# Altium PCB LC BigOne.PcbDoc (part 3 of 3)
Units mm, origin at the board's own origin, x right, y up, seen from the top; angles counter-clockwise.
Board outline 218 x 105 mm, 2 copper layers (Top Layer, Bottom Layer); 239 components, 249 nets, 1148 pads, 92 vias.
Unrouted connection lines stored in the file: 2.
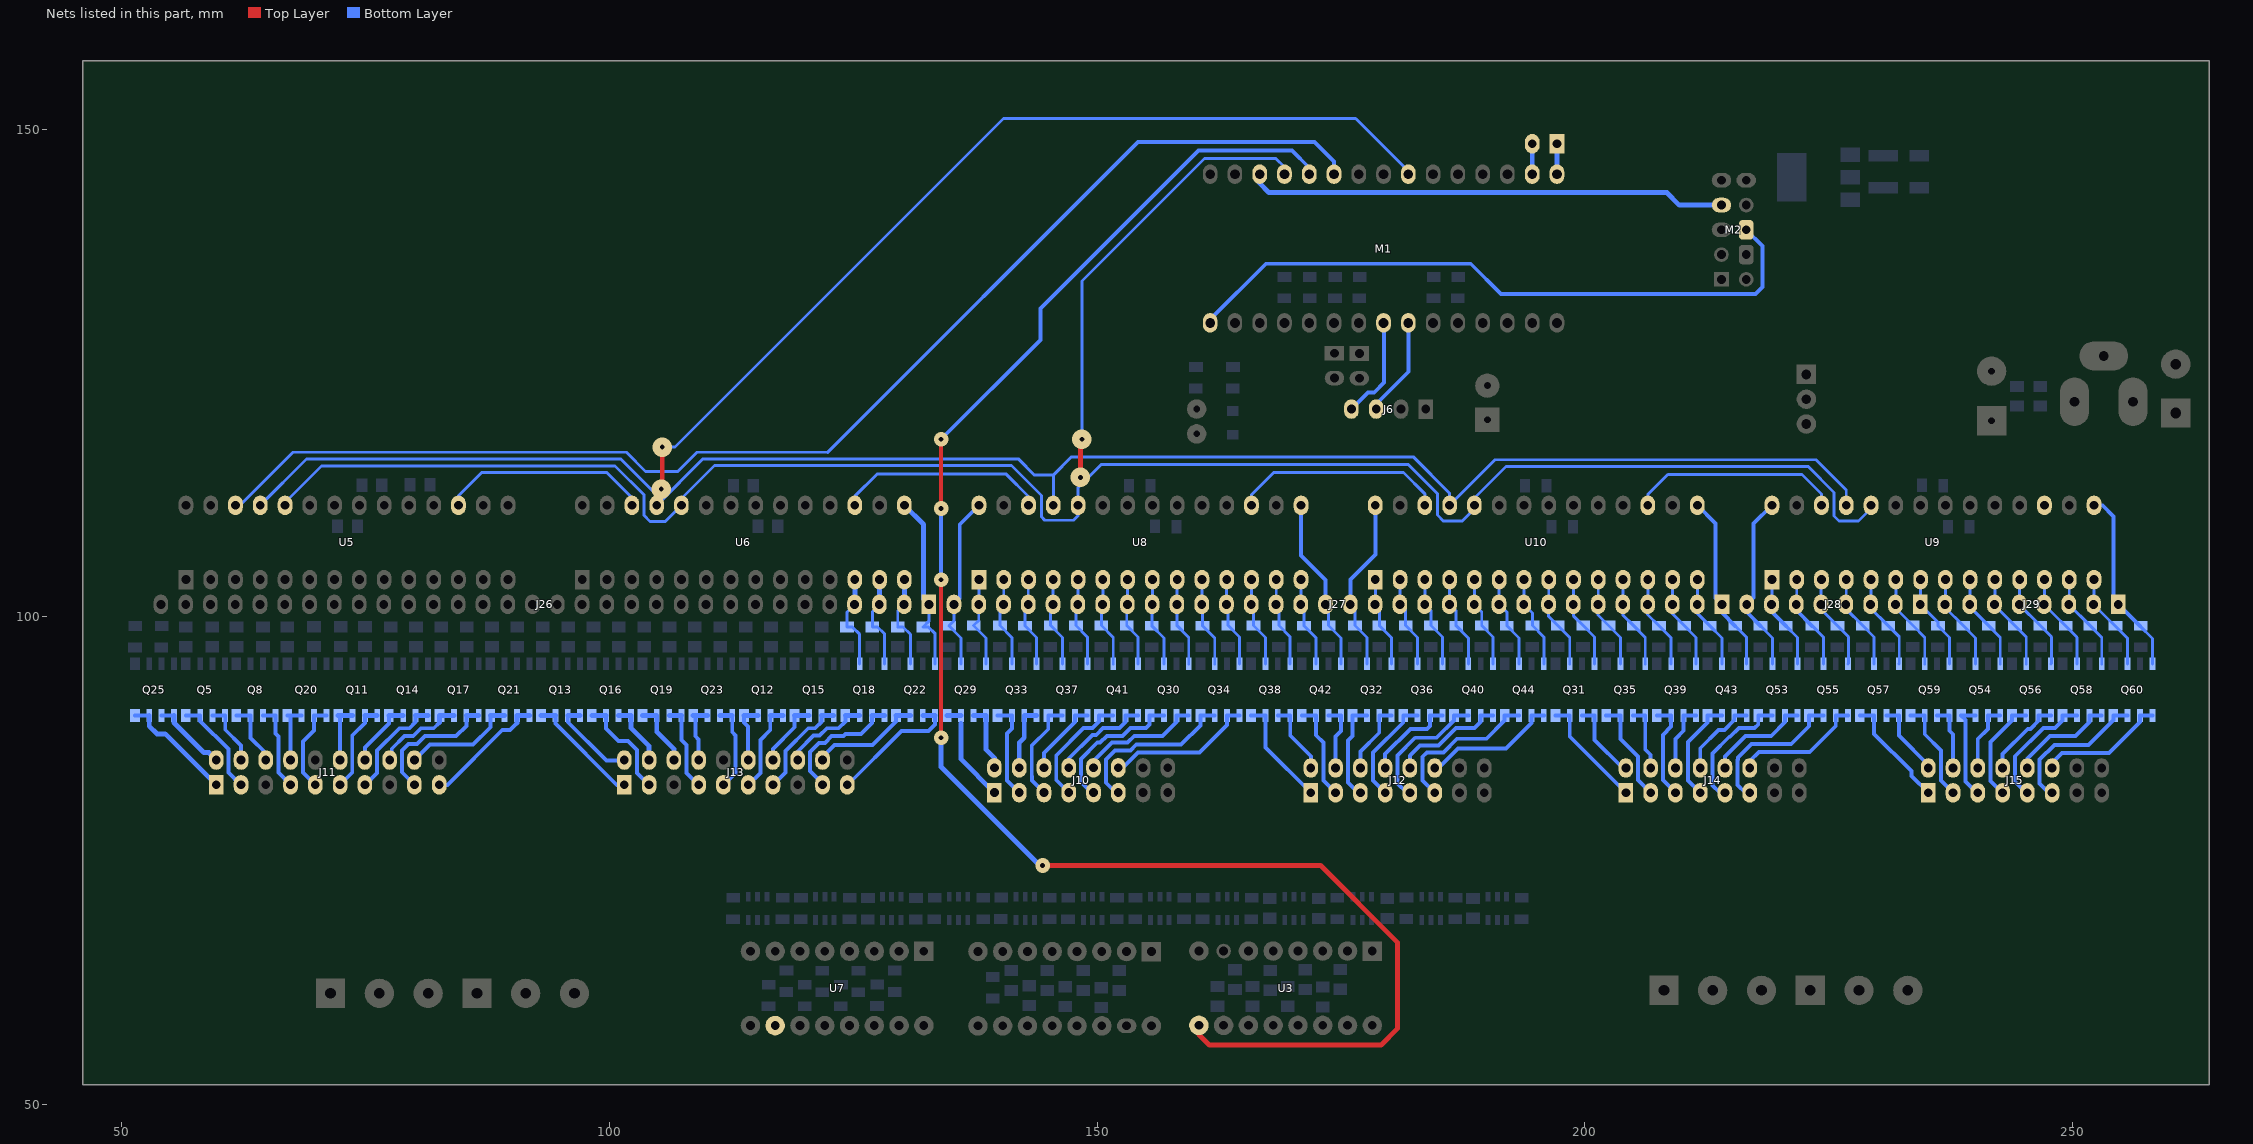
[diagram p3: the nets of this part, all layers, seen from the top]

## Via types
v1: diameter 1, hole 0.5, Top Layer to Bottom Layer, 35 vias
v2: diameter 2, hole 0.5, Top Layer to Bottom Layer, 25 vias
v3: diameter 1.5, hole 0.5, Top Layer to Bottom Layer, 22 vias
v4: diameter 6, hole 3, Top Layer to Bottom Layer, 4 vias
v5: diameter 2, hole 1, Top Layer to Bottom Layer, 4 vias
v6: diameter 1, hole 0.5, Top Layer to Bottom Layer, tented top, 1 vias
v7: diameter 1.2, hole 0.5, Top Layer to Bottom Layer, 1 vias

## Nets (pads, with @x,y where several pads share a name; then routed paths per layer and width w, separated by ;. In a path a pad name is that pad's centre, name@x,y a point inside that pad or via, vN(x,y) a via of type N, cw(c..) or ccw(c..) an arc to the next point about the centre after c; other vN are vias at no path point) (continued)
"OutL 29": J26.4 Q18.2 R33.1 U6.12 | length 9.8
  Bottom Layer w0.3: J26.4@125.15,101.275 124.35,100.475 R33.1@124.35,98.966 124.884,98.966 125.645,98.205 Q18.2@125.645,95.175
  Bottom Layer w0.5: J26.4@125.15,101.275 U6.12@125.15,103.815
"OutL 30": J26.3 Q18.4 R36.1 U6.13 | length 9.8
  Bottom Layer w0.3: J26.3@127.69,101.275 126.95,100.535 R36.1@126.95,98.966 127.484,98.966 128.185,98.265 Q18.4@128.185,95.175
  Bottom Layer w0.5: J26.3@127.69,101.275 U6.13@127.69,103.815
"OutL 31": J26.2 Q22.2 R40.1 U6.14 | length 9.8
  Bottom Layer w0.3: J26.2@130.23,101.275 129.55,100.595 R40.1@129.55,98.966 130.084,98.966 130.845,98.205 Q22.2@130.845,95.175
  Bottom Layer w0.5: J26.2@130.23,101.275 U6.14@130.23,103.815
"OutL 32": J26.1 Q22.4 R44.1 U6.15 | length 18.4
  Bottom Layer w0.3: J26.1@132.77,101.275 132.77,99.586 R44.1@132.15,98.966 132.684,98.966 133.385,98.265 Q22.4@133.385,95.175
  Bottom Layer w0.5: U6.15@130.23,111.435 132.2,109.465 132.2,101.845 J26.1@132.77,101.275
"OutL 33": J27.32 Q29.2 R99.1 U8.28 | length 18
  Bottom Layer w0.3: J27.32@135.31,101.275 135.31,99.585 R99.1@134.8,99.075 136.045,97.83 Q29.2@136.045,95.175
  Bottom Layer w0.4: J27.32@135.31,101.275 135.9,101.865 135.9,109.46 U8.28@137.875,111.435
"OutL 34": J27.31 Q29.4 R103.1 U8.1 | length 9.4
  Bottom Layer w0.3: U8.1@137.875,103.815 137.875,101.3 J27.31@137.85,101.275 137.85,99.625 R103.1@137.325,99.1 138.585,97.84 Q29.4@138.585,95.175
"OutL 35": J27.30 Q33.2 R107.1 U8.2 | length 9.3
  Bottom Layer w0.3: U8.2@140.415,103.815 140.415,101.3 J27.30@140.39,101.275 140.025,100.91 R107.1@140.025,99.1 141.245,97.88 Q33.2@141.245,95.175
"OutL 36": J27.29 Q33.4 R111.1 U8.3 | length 9.3
  Bottom Layer w0.3: U8.3@142.955,103.815 142.93,103.79 J27.29@142.93,101.275 142.6,100.945 R111.1@142.6,99.075 143.785,97.89 Q33.4@143.785,95.175
"OutL 37": J27.28 Q37.2 R115.1 U8.4 | length 9.3
  Bottom Layer w0.3: U8.4@145.495,103.815 145.47,103.79 J27.28@145.47,101.275 145.225,101.03 R115.1@145.225,99.1 146.445,97.88 Q37.2@146.445,95.175
"OutL 38": J27.27 Q37.4 R119.1 U8.5 | length 9.2
  Bottom Layer w0.3: U8.5@148.035,103.815 148.035,101.3 J27.27@148.01,101.275 147.825,101.09 R119.1@147.825,99.1 148.985,97.94 Q37.4@148.985,95.175
"OutL 39": J27.26 Q41.2 R123.1 U8.6 | length 9.2
  Bottom Layer w0.3: U8.6@150.575,103.815 150.575,101.3 J27.26@150.55,101.275 150.425,101.15 R123.1@150.425,99.1 151.645,97.88 Q41.2@151.645,95.175
"OutL 40": J27.25 Q41.4 R127.1 U8.7 | length 9.2
  Bottom Layer w0.3: U8.7@153.115,103.815 153.09,103.79 J27.25@153.09,101.275 153.025,101.21 R127.1@153.025,99.1 154.185,97.94 Q41.4@154.185,95.175
"OutL 41": J27.24 Q30.2 R100.1 U8.8 | length 9.2
  Bottom Layer w0.3: U8.8@155.655,103.815 155.655,101.3 J27.24@155.63,101.275 155.6,101.245 R100.1@155.6,99.075 156.845,97.83 Q30.2@156.845,95.175
"OutL 42": J27.23 Q30.4 R104.1 U8.9 | length 9.2
  Bottom Layer w0.3: U8.9@158.195,103.815 158.195,101.3 J27.23@158.17,101.275 158.2,101.245 R104.1@158.2,99.075 159.385,97.89 Q30.4@159.385,95.175
"OutL 43": J27.22 Q34.2 R108.1 U8.10 | length 9.2
  Bottom Layer w0.3: U8.10@160.735,103.815 160.735,101.3 J27.22@160.71,101.275 160.8,101.185 R108.1@160.8,99.075 162.045,97.83 Q34.2@162.045,95.175
"OutL 44": J27.21 Q34.4 R112.1 U8.11 | length 9.2
  Bottom Layer w0.3: U8.11@163.275,103.815 163.275,101.3 J27.21@163.25,101.275 163.425,101.1 R112.1@163.425,99.1 164.585,97.94 Q34.4@164.585,95.175
"OutL 45": J27.20 Q38.2 R116.1 U8.12 | length 9.3
  Bottom Layer w0.3: U8.12@165.815,103.815 165.815,101.3 J27.20@165.79,101.275 166.025,101.04 R116.1@166.025,99.1 167.245,97.88 Q38.2@167.245,95.175
"OutL 46": J27.19 Q38.4 R120.1 U8.13 | length 9.3
  Bottom Layer w0.3: U8.13@168.355,103.815 168.355,101.3 J27.19@168.33,101.275 168.625,100.98 R120.1@168.625,99.1 169.785,97.94 Q38.4@169.785,95.175
"OutL 47": J27.18 Q42.2 R124.1 U8.14 | length 9.3
  Bottom Layer w0.3: U8.14@170.895,103.815 170.895,101.3 J27.18@170.87,101.275 171.2,100.945 R124.1@171.2,99.075 172.445,97.83 Q42.2@172.445,95.175
"OutL 48": J27.17 Q42.4 R128.1 U8.15 | length 18
  Bottom Layer w0.3: J27.17@173.41,101.275 173.725,100.96 R128.1@173.725,99.1 174.985,97.84 Q42.4@174.985,95.175
  Bottom Layer w0.4: U8.15@170.895,111.435 170.895,106.305 173.41,103.79 J27.17@173.41,101.275
"OutL 49": J27.16 Q32.2 R102.1 U10.28 | length 18
  Bottom Layer w0.3: J27.16@175.95,101.275 176.425,100.8 R102.1@176.425,99.1 177.645,97.88 Q32.2@177.645,95.175
  Bottom Layer w0.4: J27.16@175.95,101.275 175.95,103.84 178.51,106.4 U10.28@178.51,111.435
"OutL 50": J27.15 Q32.4 R106.1 U10.1 | length 9.4
  Bottom Layer w0.3: U10.1@178.51,103.815 178.51,101.295 J27.15@178.49,101.275 178.925,100.84 R106.1@178.925,99.1 180.185,97.84 Q32.4@180.185,95.175
"OutL 51": J27.14 Q36.2 R110.1 U10.2 | length 9.4
  Bottom Layer w0.3: U10.2@181.05,103.815 181.05,101.295 J27.14@181.03,101.275 181.625,100.68 R110.1@181.625,99.1 182.845,97.88 Q36.2@182.845,95.175
"OutL 52": J27.13 Q36.4 R114.1 U10.3 | length 9.4
  Bottom Layer w0.3: U10.3@183.59,103.815 183.59,101.295 J27.13@183.57,101.275 184.225,100.62 R114.1@184.225,99.1 185.385,97.94 Q36.4@185.385,95.175
"OutL 53": J27.12 Q40.2 R118.1 U10.4 | length 9.4
  Bottom Layer w0.3: U10.4@186.13,103.815 186.13,101.295 J27.12@186.11,101.275 186.8,100.585 R118.1@186.8,99.075 188.045,97.83 Q40.2@188.045,95.175
"OutL 54": J27.11 Q40.4 R122.1 U10.5 | length 9.4
  Bottom Layer w0.3: U10.5@188.67,103.815 188.67,101.295 J27.11@188.65,101.275 189.425,100.5 R122.1@189.425,99.1 190.585,97.94 Q40.4@190.585,95.175
"OutL 55": J27.10 Q44.2 R126.1 U10.6 | length 9.5
  Bottom Layer w0.3: U10.6@191.21,103.815 191.21,101.295 J27.10@191.19,101.275 192,100.465 R126.1@192,99.075 193.245,97.83 Q44.2@193.245,95.175
"OutL 56": J27.9 Q44.4 R130.1 U10.7 | length 9.5
  Bottom Layer w0.3: U10.7@193.75,103.815 193.75,101.295 J27.9@193.73,101.275 194.625,100.38 R130.1@194.625,99.1 195.785,97.94 Q44.4@195.785,95.175
"OutL 57": J27.8 Q31.2 R101.1 U10.8 | length 9.5
  Bottom Layer w0.3: U10.8@196.29,103.815 196.29,101.295 J27.8@196.27,101.275 196.27,100.055 R101.1@197.225,99.1 198.445,97.88 Q31.2@198.445,95.175
"OutL 58": J27.7 Q31.4 R105.1 U10.9 | length 9.5
  Bottom Layer w0.3: U10.9@198.83,103.815 198.83,101.295 J27.7@198.81,101.275 198.81,100.115 R105.1@199.825,99.1 200.985,97.94 Q31.4@200.985,95.175
"OutL 59": J27.6 Q35.2 R109.1 U10.10 | length 9.6
  Bottom Layer w0.3: U10.10@201.37,103.815 201.37,101.295 J27.6@201.35,101.275 201.35,100.175 R109.1@202.425,99.1 203.645,97.88 Q35.2@203.645,95.175
"OutL 60": J27.5 Q35.4 R113.1 U10.11 | length 9.6
  Bottom Layer w0.3: U10.11@203.91,103.815 203.91,101.295 J27.5@203.89,101.275 203.89,100.185 R113.1@205,99.075 206.185,97.89 Q35.4@206.185,95.175
"OutL 61": J27.4 Q39.2 R117.1 U10.12 | length 9.6
  Bottom Layer w0.3: U10.12@206.45,103.815 206.45,101.295 J27.4@206.43,101.275 206.43,100.245 R117.1@207.6,99.075 208.845,97.83 Q39.2@208.845,95.175
"OutL 62": J27.3 Q39.4 R121.1 U10.13 | length 9.6
  Bottom Layer w0.3: U10.13@208.99,103.815 208.99,101.295 J27.3@208.97,101.275 208.97,100.305 R121.1@210.2,99.075 211.385,97.89 Q39.4@211.385,95.175
"OutL 63": J27.2 Q43.2 R125.1 U10.14 | length 9.7
  Bottom Layer w0.3: U10.14@211.53,103.815 211.53,101.295 J27.2@211.51,101.275 211.51,100.365 R125.1@212.8,99.075 214.045,97.83 Q43.2@214.045,95.175
"OutL 64": J27.1 Q43.4 R129.1 U10.15 | length 18.4
  Bottom Layer w0.3: R129.1@215.4,99.075 216.585,97.89 Q43.4@216.585,95.175
  Bottom Layer w0.4: U10.15@211.53,111.435 213.4,109.565 213.4,101.925 J27.1@214.05,101.275 214.05,100.425 R129.1@215.4,99.075
"OutL 65": J28.8 Q53.2 R147.1 U9.28 | length 18.4
  Bottom Layer w0.3: R147.1@218,99.075 219.245,97.83 Q53.2@219.245,95.175
  Bottom Layer w0.4: R147.1@218,99.075 216.59,100.485 J28.8@216.59,101.275 217.3,101.985 217.3,109.56 U9.28@219.175,111.435
"OutL 66": J28.7 Q53.4 R149.1 U9.1 | length 9.8
  Bottom Layer w0.3: J28.7@219.13,101.275 219.175,101.32 U9.1@219.175,103.815 ; R149.1@220.6,99.075 221.785,97.89 Q53.4@221.785,95.175
  Bottom Layer w0.4: J28.7@219.13,101.275 219.13,100.545 R149.1@220.6,99.075
"OutL 67": J28.6 Q55.2 R151.1 U9.2 | length 9.8
  Bottom Layer w0.3: J28.6@221.67,101.275 221.715,101.32 U9.2@221.715,103.815 ; R151.1@223.3,99.075 224.445,97.93 Q55.2@224.445,95.175
  Bottom Layer w0.4: J28.6@221.67,101.275 221.67,100.705 R151.1@223.3,99.075
"OutL 68": J28.5 Q55.4 R153.1 U9.3 | length 9.8
  Bottom Layer w0.3: U9.3@224.255,103.815 224.21,103.77 J28.5@224.21,101.275 224.21,100.765 R153.1@225.9,99.075 227.025,97.95 227.025,95.215 Q55.4@226.985,95.175
"OutL 69": J28.4 Q57.2 R155.1 U9.4 | length 9.9
  Bottom Layer w0.3: U9.4@226.795,103.815 226.795,101.32 J28.4@226.75,101.275 226.75,100.825 R155.1@228.5,99.075 229.645,97.93 Q57.2@229.645,95.175
"OutL 70": J28.3 Q57.4 R157.1 U9.5 | length 9.9
  Bottom Layer w0.3: U9.5@229.335,103.815 229.335,101.32 J28.3@229.29,101.275 229.29,100.885 R157.1@231.1,99.075 232.225,97.95 232.225,95.215 Q57.4@232.185,95.175
"OutL 71": J28.2 Q59.2 R159.1 U9.6 | length 9.9
  Bottom Layer w0.3: U9.6@231.875,103.815 231.875,101.32 J28.2@231.83,101.275 231.83,100.895 R159.1@233.625,99.1 234.845,97.88 Q59.2@234.845,95.175
"OutL 72": J28.1 Q59.4 R161.1 U9.7 | length 9.9
  Bottom Layer w0.3: U9.7@234.415,103.815 234.415,101.32 J28.1@234.37,101.275 236.2,99.445 R161.1@236.2,99.075 237.385,97.89 Q59.4@237.385,95.175
"OutL 73": J29.8 Q54.2 R148.1 U9.8 | length 10
  Bottom Layer w0.3: U9.8@236.955,103.815 236.955,101.32 J29.8@236.91,101.275 236.91,100.965 R148.1@238.8,99.075 240.045,97.83 Q54.2@240.045,95.175
"OutL 74": J29.7 Q54.4 R150.1 U9.9 | length 10
  Bottom Layer w0.3: U9.9@239.495,103.815 239.495,101.07 239.45,101.025 R150.1@241.4,99.075 242.585,97.89 Q54.4@242.585,95.175
"OutL 75": J29.6 Q56.2 R152.1 U9.10 | length 10
  Bottom Layer w0.3: U9.10@242.035,103.815 242.035,101.23 241.99,101.185 R152.1@244.1,99.075 245.245,97.93 Q56.2@245.245,95.175
"OutL 76": J29.5 Q56.4 R154.1 U9.11 | length 10
  Bottom Layer w0.3: U9.11@244.575,103.815 244.575,101.29 244.53,101.245 R154.1@246.7,99.075 247.825,97.95 247.825,95.215 Q56.4@247.785,95.175
"OutL 77": J29.4 Q58.2 R156.1 U9.12 | length 10.1
  Bottom Layer w0.3: U9.12@247.115,103.815 247.115,101.32 J29.4@247.07,101.275 250.445,97.9 Q58.2@250.445,95.175
"OutL 78": J29.3 Q58.4 R158.1 U9.13 | length 10.1
  Bottom Layer w0.3: U9.13@249.655,103.815 249.655,101.32 J29.3@249.61,101.275 251.8,99.085 R158.1@251.8,99.075 252.985,97.89 Q58.4@252.985,95.175
"OutL 79": J29.2 Q60.2 R160.1 U9.14 | length 10.1
  Bottom Layer w0.3: U9.14@252.195,103.815 252.195,101.32 J29.2@252.15,101.275 255.645,97.78 Q60.2@255.645,95.175
"OutL 80": J29.1 Q60.4 R162.1 U9.15 | length 19.3
  Bottom Layer w0.3: R162.1@256.89,99.075 258.185,97.78 Q60.4@258.185,95.175
  Bottom Layer w0.4: U9.15@252.195,111.435 253.065,111.435 254.2,110.3 254.2,101.765 J29.1@254.69,101.275 R162.1@256.89,99.075
"OutP 1": J11.1 Q25.7 Q25.8 | length 11.9
  Bottom Layer w0.4: Q25.8@51.34,89.875 Q25.7@52.81,89.875
  Bottom Layer w0.5: Q25.7@52.81,89.875 52.81,88.79 53.6,88 54.45,88 J11.1@59.675,82.775
"OutP 2": J11.2 Q25.5 Q25.6 | length 7.9
  Bottom Layer w0.4: Q25.6@54.08,89.875 Q25.5@55.35,89.875
  Bottom Layer w0.5: Q25.5@55.35,89.875 55.35,89.15 58.425,86.075 58.915,86.075 J11.2@59.675,85.315
"OutP 3": J11.3 Q5.7 Q5.8 | length 10.3
  Bottom Layer w0.4: Q5.8@56.56,89.875 Q5.7@58.03,89.875 58.03,89.328 60.925,86.433 60.925,84.025 62.175,82.775 J11.3@62.215,82.775
"OutP 4": J11.4 Q5.5 Q5.6 | length 6.5
  Bottom Layer w0.4: Q5.6@59.3,89.875 Q5.5@60.57,89.875 ; Q5.5@60.6,89.9 60.6,88.425 62.215,86.81 J11.4@62.215,85.315
"OutP 5": J11.6 Q8.7 Q8.8 | length 6.7
  Bottom Layer w0.4: Q8.8@61.735,89.875 Q8.7@63.205,89.875 63.205,87.595 64.755,86.045 J11.6@64.755,85.315
"OutP 6": J11.7 Q8.5 Q8.6 | length 9
  Bottom Layer w0.4: Q8.6@64.475,89.875 Q8.5@65.745,89.875 65.745,88.03 66.045,87.73 66.045,84.025 J11.7@67.295,82.775
"OutP 7": J11.8 Q20.7 Q20.8 | length 5.8
  Bottom Layer w0.4: Q20.8@66.965,89.875 Q20.7@68.435,89.875 ; J11.8@67.295,85.315 Q20.8@67.295,89.675
"OutP 8": J11.9 Q20.5 Q20.6 | length 9.4
  Bottom Layer w0.4: J11.9@69.835,82.775 68.585,84.025 68.585,87.235 69.705,88.355 Q20.6@69.705,89.875 Q20.5@70.975,89.875
"OutP 9": J11.12 Q11.7 Q11.8 | length 6
  Bottom Layer w0.4: J11.12@72.375,85.315 Q11.8@72.375,89.875
  Bottom Layer w0.5: Q11.8@72.175,89.875 72.375,89.875 Q11.7@73.645,89.875
"OutP 10": J11.11 Q11.5 Q11.6 | length 9.4
  Bottom Layer w0.4: J11.11@72.375,82.775 73.625,84.025 73.625,87.825 74.915,89.115 Q11.6@74.915,89.875
  Bottom Layer w0.5: Q11.6@74.915,89.875 Q11.5@76.185,89.875
"OutP 11": J11.14 Q14.7 Q14.8 | length 7
  Bottom Layer w0.4: J11.14@74.915,85.315 74.915,86.615 77.375,89.075 Q14.8@77.375,89.875
  Bottom Layer w0.5: Q14.8@77.375,89.875 Q14.7@78.845,89.875
"OutP 12": J11.13 Q14.5 Q14.6 | length 11.1
  Bottom Layer w0.4: J11.13@74.915,82.775 74.975,82.775 76.175,83.975 76.175,86.275 78.475,88.575 79.475,88.575 80.115,89.215 Q14.6@80.115,89.875
  Bottom Layer w0.5: Q14.6@80.115,89.875 Q14.5@81.385,89.875
"OutP 13": J11.16 Q17.7 Q17.8 | length 9.4
  Bottom Layer w0.4: J11.16@77.455,85.315 77.455,85.555 77.675,85.775 77.675,86.475 78.975,87.775 79.875,87.775 80.675,88.575 81.975,88.575 82.575,89.175
  Bottom Layer w0.5: 82.575,89.175 Q17.8@82.575,89.875 Q17.7@84.045,89.875
"OutP 14": J11.17 Q17.5 Q17.6 | length 14
  Bottom Layer w0.4: J11.17@79.995,82.775 78.706,84.064 78.706,86.306 79.375,86.975 80.275,86.975 81.075,87.775 84.275,87.775 85.315,88.815 Q17.6@85.315,89.875
  Bottom Layer w0.5: Q17.6@85.315,89.875 Q17.5@86.585,89.875
"OutP 15": J11.18 Q21.7 Q21.8 | length 11.8
  Bottom Layer w0.4: J11.18@79.995,85.315 81.58,86.9 86,86.9 87.775,88.675 Q21.8@87.775,89.875
  Bottom Layer w0.5: Q21.8@87.775,89.875 Q21.7@89.245,89.875
"OutP 16": J11.19 Q21.5 Q21.6 | length 12.6
  Bottom Layer w0.4: J11.19@82.535,82.775 83.375,82.775 89,88.4 89.8,88.4 90.515,89.115
  Bottom Layer w0.5: 90.515,89.115 Q21.6@90.515,89.875 Q21.5@91.785,89.875
"OutP 17": J13.1 Q13.7 Q13.8 | length 12
  Bottom Layer w0.4: Q13.7@94.445,89.875 94.445,89.055 100.765,82.735 J13.1@101.515,82.735
  Bottom Layer w0.5: Q13.8@92.975,89.875 Q13.7@94.445,89.875
"OutP 18": J13.2 Q13.5 Q13.6 | length 9.4
  Bottom Layer w0.4: Q13.6@95.715,89.875 95.715,89.235 99.675,85.275 J13.2@101.515,85.275
  Bottom Layer w0.5: Q13.6@95.715,89.875 Q13.5@96.985,89.875
"OutP 19": J13.3 Q16.7 Q16.8 | length 11
  Bottom Layer w0.4: Q16.7@99.645,89.875 99.645,88.555 100.925,87.275 101.875,87.275 102.805,86.345 102.805,83.985 J13.3@104.055,82.735
  Bottom Layer w0.5: Q16.8@98.175,89.875 Q16.7@99.645,89.875
"OutP 20": J13.4 Q16.5 Q16.6 | length 6.6
  Bottom Layer w0.5: Q16.6@100.915,89.875 Q16.5@102.185,89.875 102.185,88.615 104.055,86.745 J13.4@104.055,85.315 J13.4@104.055,85.275
"OutP 21": J13.6 Q19.7 Q19.8 | length 6.8
  Bottom Layer w0.5: Q19.8@103.375,89.875 Q19.7@104.845,89.875 104.845,88.205 106.595,86.455 J13.6@106.595,85.315 J13.6@106.595,85.275
"OutP 22": J13.7 Q19.5 Q19.6 | length 9.1
  Bottom Layer w0.4: Q19.5@107.385,89.875 107.385,87.365 107.875,86.875 107.875,83.995 J13.7@109.135,82.735
  Bottom Layer w0.5: Q19.6@106.115,89.875 Q19.5@107.385,89.875
"OutP 23": J13.8 Q23.7 Q23.8 | length 6.3
  Bottom Layer w0.4: Q23.8@108.575,89.875 108.8,89.65 108.8,87.75 109.135,87.415 J13.8@109.135,85.315 J13.8@109.135,85.275
  Bottom Layer w0.5: Q23.8@108.575,89.875 Q23.7@110.045,89.875
"OutP 24": J13.9 Q23.5 Q23.6 | length 9.1
  Bottom Layer w0.4: J13.9@111.675,82.735 112.925,83.985 112.925,87.825 112.585,88.165 Q23.5@112.585,89.875
  Bottom Layer w0.5: Q23.6@111.315,89.875 Q23.5@112.585,89.875
"OutP 25": J13.12 Q12.7 Q12.8 | length 6.3
  Bottom Layer w0.4: Q12.8@113.775,89.875 113.775,89.175 114.215,88.735 J13.12@114.215,85.315 J13.12@114.215,85.275
  Bottom Layer w0.5: Q12.8@113.775,89.875 Q12.7@115.245,89.875
"OutP 26": J13.11 Q12.5 Q12.6 | length 9.4
  Bottom Layer w0.4: J13.11@114.215,82.735 115.465,83.985 115.465,87.365 116.475,88.375 116.475,89.835 Q12.6@116.515,89.875
  Bottom Layer w0.5: Q12.6@116.515,89.875 Q12.5@117.785,89.875
"OutP 27": J13.14 Q15.7 Q15.8 | length 7
  Bottom Layer w0.4: J13.14@116.755,85.275 J13.14@116.755,85.315 116.755,86.455 118.975,88.675 Q15.8@118.975,89.875
  Bottom Layer w0.5: Q15.8@118.975,89.875 Q15.7@120.445,89.875
"OutP 28": J13.13 Q15.5 Q15.6 | length 10.9
  Bottom Layer w0.4: J13.13@116.755,82.735 118.045,84.025 118.045,86.245 120.375,88.575 121.075,88.575 121.715,89.215 Q15.6@121.715,89.875
  Bottom Layer w0.5: Q15.6@121.715,89.875 Q15.5@122.985,89.875
"OutP 29": J13.16 Q18.7 Q18.8 | length 9.1
  Bottom Layer w0.4: J13.16@119.295,85.275 J13.16@119.295,85.315 119.295,86.195 120.93,87.83 121.53,87.83 122.275,88.575 123.475,88.575 124.175,89.275 Q18.8@124.175,89.875
  Bottom Layer w0.5: Q18.8@124.175,89.875 Q18.7@125.645,89.875
"OutP 30": J13.17 Q18.5 Q18.6 | length 13.6
  Bottom Layer w0.4: J13.17@121.835,82.735 J13.17@121.835,82.775 121.835,82.915 120.545,84.205 120.545,86.145 121.475,87.075 122.075,87.075 122.775,87.775 123.975,87.775 124.2,88 125.8,88 126.915,89.115 Q18.6@126.915,89.875
  Bottom Layer w0.5: Q18.6@126.915,89.875 Q18.5@128.185,89.875
"OutP 31": J13.18 Q22.7 Q22.8 | length 11.5
  Bottom Layer w0.4: J13.18@121.835,85.275 J13.18@121.835,85.315 121.835,85.635 123.075,86.875 126.975,86.875 129.375,89.275 Q22.8@129.375,89.875
  Bottom Layer w0.5: Q22.8@129.375,89.875 Q22.7@130.845,89.875
"OutP 32": J13.19 Q22.5 Q22.6 | length 13.8
  Bottom Layer w0.4: J13.19@124.375,82.735 129.94,88.3 132.7,88.3 133.375,88.975 133.375,89.875 Q22.5@133.385,89.875
  Bottom Layer w0.5: Q22.6@132.115,89.875 Q22.5@133.375,89.875
"OutP 33": J10.1 Q29.7 Q29.8 | length 10
  Bottom Layer w0.5: Q29.8@134.575,89.875 Q29.7@136.045,89.875 ; 136.045,89.075 136.045,85.39 J10.1@139.46,81.975
"OutP 34": J10.2 Q29.5 Q29.6 | length 7
  Bottom Layer w0.5: Q29.6@137.315,89.875 Q29.5@138.585,89.875 138.585,86.415 139.46,85.54 J10.2@139.46,84.515
"OutP 35": J10.3 Q33.7 Q33.8 | length 10.1
  Bottom Layer w0.4: Q33.8@139.775,89.875 Q33.7@141.245,89.875 141.245,88.545 140.75,88.05 140.75,83.225 J10.3@142,81.975
"OutP 36": J10.4 Q33.5 Q33.6 | length 6.8
  Bottom Layer w0.5: J10.4@142,84.515 142,87.1 142.515,87.615 Q33.6@142.515,89.875 Q33.5@143.785,89.875
"OutP 37": J10.5 Q37.7 Q37.8 | length 10.6
  Bottom Layer w0.4: J10.5@144.54,81.975 143.3,83.215 143.3,83.627 143.29,83.637 143.29,86.79 144.975,88.475 Q37.8@144.975,89.875 Q37.7@146.445,89.875
"OutP 38": J10.6 Q37.5 Q37.6 | length 7.9
  Bottom Layer w0.4: J10.6@144.54,84.515 144.54,86.04 147.715,89.215 Q37.6@147.715,89.875 Q37.5@148.985,89.875
"OutP 39": J10.7 Q41.7 Q41.8 | length 12.2
  Bottom Layer w0.4: J10.7@147.08,81.975 145.8,83.255 145.8,85.8 148.6,88.6 149.5,88.6 150.175,89.275 Q41.8@150.175,89.875 Q41.7@151.645,89.875
"OutP 40": J10.8 Q41.5 Q41.6 | length 10.3
  Bottom Layer w0.4: J10.8@147.08,84.515 147.08,85.48 149.5,87.9 149.9,87.9 150.6,88.6 152.3,88.6 152.915,89.215 Q41.6@152.915,89.875 Q41.5@154.185,89.875
"OutP 41": J10.9 Q30.7 Q30.8 | length 15
  Bottom Layer w0.4: J10.9@149.62,81.975 149.425,81.975 148.33,83.07 148.33,85.43 150,87.1 150.3,87.1 151,87.8 152.6,87.8 153.4,88.6 155,88.6 155.375,88.975 Q30.8@155.375,89.875 Q30.7@156.845,89.875
"OutP 42": J10.10 Q30.5 Q30.6 | length 12.8
  Bottom Layer w0.4: J10.10@149.62,84.515 149.62,85.22 151.5,87.1 153.1,87.1 153.8,87.8 156.7,87.8 158.115,89.215 Q30.6@158.115,89.875 Q30.5@159.385,89.875
"OutP 43": J10.11 Q34.7 Q34.8 | length 17.6
  Bottom Layer w0.4: J10.11@152.16,81.975 151.925,81.975 150.91,82.99 150.91,85.373 151.837,86.3 153.4,86.3 154,86.9 158.6,86.9 160.575,88.875 Q34.8@160.575,89.875 Q34.7@162.045,89.875
"OutP 44": J10.12 Q34.5 Q34.6 | length 15.2
  Bottom Layer w0.4: J10.12@152.16,84.515 152.345,84.7 152.79,84.7 154.19,86.1 160.5,86.1 163.315,88.915 Q34.6@163.315,89.875 Q34.5@164.585,89.875
"OutP 45": J12.1 Q38.7 Q38.8 | length 11.3
  Bottom Layer w0.4: Q38.8@165.775,89.875 Q38.7@167.245,89.875 167.245,86.615 J12.1@171.9,81.96
"OutP 46": J12.2 Q38.5 Q38.6 | length 7.5
  Bottom Layer w0.4: Q38.6@168.515,89.875 Q38.5@169.785,89.875 169.785,87.815 171.9,85.7 J12.2@171.9,84.5
"OutP 47": J12.3 Q42.7 Q42.8 | length 10.2
  Bottom Layer w0.4: Q42.8@170.975,89.875 Q42.7@172.445,89.875 172.445,87.855 173.2,87.1 173.2,85.288 173.19,85.278 173.19,83.21 J12.3@174.44,81.96
"OutP 48": J12.4 Q42.5 Q42.6 | length 6.9
  Bottom Layer w0.4: Q42.6@173.715,89.875 Q42.5@174.985,89.875 174.985,88.285 174.44,87.74 J12.4@174.44,84.5
"OutP 49": J12.5 Q32.7 Q32.8 | length 10.3
  Bottom Layer w0.4: J12.5@176.98,81.96 176.74,81.96 175.7,83 175.7,87.3 176.175,87.775 Q32.8@176.175,89.875 Q32.7@177.645,89.875
"OutP 50": J12.6 Q32.5 Q32.6 | length 7.4
  Bottom Layer w0.4: J12.6@176.98,84.5 176.98,86.18 178.915,88.115 Q32.6@178.915,89.875 Q32.5@180.185,89.875
"OutP 51": J12.7 Q36.7 Q36.8 | length 11.2
  Bottom Layer w0.4: J12.7@179.52,81.96 178.27,83.21 178.27,86.07 181.375,89.175 Q36.8@181.375,89.875 Q36.7@182.845,89.875
"OutP 52": J12.8 Q36.5 Q36.6 | length 9.5
  Bottom Layer w0.4: J12.8@179.52,84.5 179.52,85.92 182.1,88.5 183.8,88.5 184.115,88.815 Q36.6@184.115,89.875 Q36.5@185.385,89.875
"OutP 53": J12.9 Q40.7 Q40.8 | length 13.8
  Bottom Layer w0.4: J12.9@182.06,81.96 181.74,81.96 180.8,82.9 180.8,85.8 182.6,87.6 184.8,87.6 186.575,89.375 Q40.8@186.575,89.875 Q40.7@188.045,89.875
"OutP 54": J12.10 Q40.5 Q40.6 | length 11.9
  Bottom Layer w0.4: J12.10@182.06,84.5 182.06,85.76 183.1,86.8 185,86.8 186.8,88.6 188.7,88.6 189.315,89.215 Q40.6@189.315,89.875 Q40.5@190.585,89.875
"OutP 55": J12.11 Q44.7 Q44.8 | length 16.1
  Bottom Layer w0.4: J12.11@184.6,81.96 183.35,83.21 183.35,85.65 183.8,86.1 185.5,86.1 186.9,87.5 189.9,87.5 191.775,89.375 Q44.8@191.775,89.875 Q44.7@193.245,89.875
"OutP 56": J12.12 Q44.5 Q44.6 | length 13.9
  Bottom Layer w0.4: J12.12@184.6,84.5 185,84.5 187,86.5 191.9,86.5 194.515,89.115 Q44.6@194.515,89.875 Q44.5@195.785,89.875
"OutP 57": J14.1 Q31.7 Q31.8 | length 11.8
  Bottom Layer w0.4: Q31.8@196.975,89.875 Q31.7@198.445,89.875 198.445,87.715 J14.1@204.2,81.96
"OutP 58": J14.2 Q31.5 Q31.6 | length 8.2
  Bottom Layer w0.4: Q31.6@199.715,89.875 Q31.5@200.985,89.875 200.985,87.39 203.875,84.5 J14.2@204.2,84.5
"OutP 59": J14.3 Q35.7 Q35.8 | length 10.7
  Bottom Layer w0.4: Q35.8@202.175,89.875 Q35.7@203.645,89.875 203.645,87.48 205.45,85.675 205.45,83.25 J14.3@206.74,81.96
"OutP 60": J14.4 Q35.5 Q35.6 | length 6.9
  Bottom Layer w0.4: Q35.6@204.915,89.875 Q35.5@206.185,89.875 206.185,86.415 206.74,85.86 J14.4@206.74,84.5
"OutP 61": J14.5 Q39.7 Q39.8 | length 10.3
  Bottom Layer w0.4: Q39.8@207.375,89.875 Q39.7@208.845,89.875 208.845,88.745 207.99,87.89 207.99,83.25 J14.5@209.28,81.96
"OutP 62": J14.6 Q39.5 Q39.6 | length 7
  Bottom Layer w0.4: J14.6@209.28,84.5 209.28,87.48 210.115,88.315 Q39.6@210.115,89.875 Q39.5@211.385,89.875
"OutP 63": J14.7 Q43.7 Q43.8 | length 10.7
  Bottom Layer w0.4: J14.7@211.82,81.96 210.57,83.21 210.57,87.17 212.575,89.175 Q43.8@212.575,89.875 Q43.7@214.045,89.875
"OutP 64": J14.8 Q43.5 Q43.6 | length 8.4
  Bottom Layer w0.4: J14.8@211.82,84.5 211.82,86.52 213.7,88.4 214.3,88.4 215.315,89.415 Q43.6@215.315,89.875 Q43.5@216.585,89.875
"OutP 65": J14.9 Q53.7 Q53.8 | length 13.1
  Bottom Layer w0.4: J14.9@214.36,81.96 213.84,81.96 213.1,82.7 213.1,86 214.8,87.7 214.89,87.7 215.79,88.6 217.4,88.6 217.775,88.975 Q53.8@217.775,89.875 Q53.7@219.245,89.875
"OutP 66": J14.10 Q53.5 Q53.6 | length 10.7
  Bottom Layer w0.4: J14.10@214.36,84.5 214.36,85.685 216.475,87.8 219.1,87.8 220.515,89.215 Q53.6@220.515,89.875 Q53.5@221.785,89.875
"OutP 67": J14.11 Q55.7 Q55.8 | length 15.6
  Bottom Layer w0.4: J14.11@216.9,81.96 216.44,81.96 215.65,82.75 215.65,85.318 215.7,85.368 215.7,85.575 217.075,86.95 221.15,86.95 222.975,88.775 Q55.8@222.975,89.875 Q55.7@224.445,89.875
"OutP 68": J14.12 Q55.5 Q55.6 | length 13.3
  Bottom Layer w0.4: J14.12@216.9,84.5 216.9,85.2 217.85,86.15 223.05,86.15 225.715,88.815 Q55.6@225.715,89.875 Q55.5@226.985,89.875
"OutP 69": J15.1 Q57.7 Q57.8 | length 11.7
  Bottom Layer w0.4: Q57.8@228.175,89.875 Q57.7@229.645,89.875 229.645,88.005 233.475,84.175 233.475,83.685 J15.1@235.2,81.96
"OutP 70": J15.2 Q57.5 Q57.6 | length 7.9
  Bottom Layer w0.4: Q57.6@230.915,89.875 Q57.5@232.185,89.875 232.185,87.84 235.2,84.825 J15.2@235.2,84.5
"OutP 71": J15.3 Q59.7 Q59.8 | length 10.6
  Bottom Layer w0.4: Q59.8@233.375,89.875 Q59.7@234.845,89.875 234.845,87.955 236.49,86.31 236.49,83.21 J15.3@237.74,81.96
"OutP 72": J15.4 Q59.5 Q59.6 | length 6.8
  Bottom Layer w0.4: Q59.6@236.115,89.875 Q59.5@237.385,89.875 237.385,88.315 237.74,87.96 J15.4@237.74,84.5
"OutP 73": J15.5 Q54.7 Q54.8 | length 10.2
  Bottom Layer w0.4: Q54.7@240.045,89.875 Q54.8@238.575,89.875 239,89.45 239,83.1 240.14,81.96 J15.5@240.28,81.96
"OutP 74": J15.6 Q54.5 Q54.6 | length 7.1
  Bottom Layer w0.4: J15.6@240.28,84.5 240.28,87.48 241.315,88.515 Q54.6@241.315,89.875 Q54.5@242.585,89.875
"OutP 75": J15.7 Q56.7 Q56.8 | length 10.8
  Bottom Layer w0.4: J15.7@242.82,81.96 241.6,83.18 241.6,83.572 241.57,83.602 241.57,87.17 243.775,89.375 Q56.8@243.775,89.875 Q56.7@245.245,89.875
"OutP 76": J15.8 Q56.5 Q56.6 | length 8.3
  Bottom Layer w0.4: J15.8@242.82,84.5 242.82,85.92 245.4,88.5 245.675,88.5 246.515,89.34 Q56.6@246.515,89.875 Q56.5@247.785,89.875
"OutP 77": J15.9 Q58.7 Q58.8 | length 12.7
  Bottom Layer w0.4: J15.9@245.36,81.96 245.24,81.96 244.1,83.1 244.1,85.7 247,88.6 248.2,88.6 248.975,89.375 Q58.8@248.975,89.875 Q58.7@250.445,89.875
"OutP 78": J15.10 Q58.5 Q58.6 | length 10.8
  Bottom Layer w0.4: J15.10@245.36,84.5 245.36,85.46 247.7,87.8 250.3,87.8 251.715,89.215 Q58.6@251.715,89.875 Q58.5@252.985,89.875
"OutP 79": J15.11 Q60.7 Q60.8 | length 15.3
  Bottom Layer w0.4: J15.11@247.9,81.96 247.54,81.96 246.61,82.89 246.61,85.36 248.125,86.875 251.642,86.875 254.175,89.408 Q60.8@254.175,89.875 Q60.7@255.645,89.875
"OutP 80": J15.12 Q60.5 Q60.6 | length 13.2
  Bottom Layer w0.4: J15.12@247.9,84.5 247.9,85 248.925,86.025 253.725,86.025 256.9,89.2 Q60.6@256.9,89.9 ; Q60.6@256.915,89.875 Q60.5@258.185,89.875
Rx: J9.2 M1.RXD | length 3.1
  Bottom Layer w0.5: M1.RXD@194.595,145.375 194.595,148.495 J9.2@194.6,148.5
SCK: M1.D13 M2.SCK | length 67.5
  Bottom Layer w0.4: M1.D13@161.575,130.135 161.575,130.475 167.3,136.2 188.3,136.2 191.4,133.1 217.5,133.1 218.2,133.8 218.2,138.015 M2.SCK@216.54,139.675
SCL: J6.4 M1.A4 | length 10.6
  Bottom Layer w0.4: J6.4@176.06,121.3 177.76,123 178.4,123 179.405,124.005 M1.A4@179.405,130.185
SCLK: M1.D4 U5.25 U6.25 U8.25 U9.25 U10.25 | length 278.8
  Top Layer w0.5: v2(105.3,113.1) 105.4,113.2 v2(105.4,117.4)
  Bottom Layer w0.3: U5.25@64.19,111.435 68.93,116.175 101.15,116.175 104.83,112.495 U6.25@104.83,111.435 109.595,116.2 141.9,116.2 143.58,114.52 145.495,114.52 ; v2(105.4,117.4) 106.7,117.4 140.4,151.1 176.5,151.1 181.895,145.705 M1.D4@181.895,145.375 ; U8.25@145.495,111.435 145.495,114.52 ; U9.25@226.795,111.435 226.795,113.005 223.7,116.1 190.795,116.1 U10.25@186.13,111.435 186.13,112.67 182.4,116.4 147.375,116.4 145.495,114.52
  Bottom Layer w0.5: U6.25@104.81,111.435 104.81,111.415 U6.25@104.95,111.275
SDA: J6.3 M1.A5 | length 10.3
  Bottom Layer w0.4: J6.3@178.45,121.65 181.92,125.12 M1.A5@181.92,130.51
"Serial In": U7.10
SerialOut165: M1.D8 U3.9 | length 172.5
  Top Layer w0.4: v3(134,87.6) v3(134,103.8) ; v3(134,111.1) v3(134,118.2)
  Top Layer w0.5: v3(144.4,74.5) 172.9,74.5 180.8,66.6 180.8,57.8 179.1,56.1 161.5,56.1 160.42,57.18 U3.9@160.42,58.114
  Bottom Layer w0.3: U3.9@160.42,57.954 U3.9@160.42,58.114
  Bottom Layer w0.4: v3(134,103.8) v3(134,111.1) ; v3(134,118.2) 144.2,128.4 144.2,131.6 160.4,147.8 169.975,147.8 171.735,146.04 M1.D8@171.735,145.375
  Bottom Layer w0.5: v3(134,87.6) 134,84.6 144.1,74.5 v3(144.4,74.5)
SIn: M1.D7 U5.26 | length 131.9
  Bottom Layer w0.3: U5.26@61.65,111.435 62.11,111.435 67.55,116.875 101.725,116.875 103.7,114.9 107,114.9 108.975,116.875 122.375,116.875
  Bottom Layer w0.4: 122.375,116.875 154.2,148.7 172.275,148.7 174.275,146.7 M1.D7@174.275,145.375
SOut: U9.17
SS: M1.D10 M2.CS | length 49.2
  Bottom Layer w0.5: M1.D10@166.655,145.375 166.655,144.445 167.6,143.5 208.4,143.5 209.685,142.215 M2.CS@214,142.215
"TLC2 to TLC1": U5.17 U6.26 | length 21.6
  Bottom Layer w0.3: U5.17@84.51,111.435 84.51,112.41 86.875,114.775 99.725,114.775 102.29,112.21 U6.26@102.29,111.435
"TLC3 to TLC2": U6.17 U8.26 | length 21.5
  Bottom Layer w0.3: U6.17@125.15,111.435 125.15,112.35 127.425,114.625 140.675,114.625 142.955,112.345 U8.26@142.955,111.435
"TLC3 to TLC4": U8.17 U10.26 | length 21.9
  Bottom Layer w0.3: U8.17@165.815,111.435 165.815,112.515 168.1,114.8 181.4,114.8 183.59,112.61 U10.26@183.59,111.435
"TLC4 to TLC5": U9.26 U10.17 | length 21.8
  Bottom Layer w0.3: U10.17@206.45,111.435 206.45,112.55 208.5,114.6 222.25,114.6 224.255,112.595 U9.26@224.255,111.435
Tx: J9.1 M1.TXD | length 3.1
  Bottom Layer w0.5: M1.TXD@197.135,145.375 197.14,145.38 J9.1@197.14,148.5
XLAT: M1.D9 U5.24 U6.24 U8.24 U9.24 U10.24 | length 236.9
  Top Layer w0.5: v2(148.275,114.3) 148.275,118.05 v2(148.425,118.2)
  Bottom Layer w0.3: U5.24@66.73,111.435 66.73,111.73 70.475,115.475 100.55,115.475 103.55,112.475 103.55,110.375 104.15,109.775 105.71,109.775 U6.24@107.37,111.435 107.37,112.12 110.75,115.5 141.2,115.5 144.275,112.425 144.275,110.25 144.625,109.9 147.575,109.9 148.035,110.36 U8.24@148.035,111.435 148.035,113.235 150.4,115.6 181.9,115.6 184.875,112.625 184.875,110.425 185.475,109.825 187.425,109.825 188.67,111.07 U10.24@188.67,111.435 188.67,112.17 191.9,115.4 222.9,115.4 225.55,112.75 225.55,110.325 226.05,109.825 228.05,109.825 229.335,111.11 U9.24@229.335,111.435 ; v2(148.425,118.2) 148.425,134.425 161,147 168.3,147 169.195,146.105 M1.D9@169.195,145.375
pads on no net: M1.3V3 M1.AREF M1.Reset M1.VIN M2.CLK M2.INT M2.RESET M2.WOL U3.7 U4.7 U5.16 U6.16 U7.7 U8.16 U9.16 U10.16
copper on no net:
  other v4: 50,56 260,56 50,153 260,153

## Polygon pours and split planes (outlines as drawn)
GND on Bottom Layer "Bottom Layer-No Net" (solid, pour order 2): 46,52 264,52 264,157 46,157
no net on Bottom Layer "Top Layer-No Net" (solid, pour order 0): 264,131.775 242.5,131.775 242.5,147.675 264,147.675
GND on Top Layer "Bottom Layer-No Net" (solid, pour order 4): 46,52 264,52 264,157 46,157

## Other copper
Top Layer:
  region net GND: 258.4,118.3 258.4,123.1 261.8,123.1 263.1,124.4 263.1,127.5 261.5,129.1 250.9,129.1 249.7,127.9 249.7,125.9 250.5,125.1 251,125.1 251.321,124.779 251.808,124.779 251.808,124.692 253.7,122.8 253.7,118.3
  text ".Layer_Name" at 245.975,159.7 h1
  text "Light Control  v1.1" at 60.5,148.7 h3
  text "+12v" at 215.9,52.9 h3
  text "GND" at 79.3,52.7 h3
Bottom Layer:
  pour cut-out: 183.3,134.194 183.275,134.169 183.275,131.65 188.15,131.65 188.2,131.6 188.3,131.7 188.3,134.3
  pour cut-out: 167.975,135.494 167.975,131.65 168.5,132.1 178.1,131.65 178.1,134.194 177.37,134.695
  pour cut-out: 134.3,110 134.4,109.9 136.6,109.9 136.6,107.6 135.9,106.9 135.8,107 134.3,107
  region net GND: 258.425,119.325 256.3,118.975 253.4,119.325 253.4,123.45 250.661,125.325 250.661,129.15 262.85,129.15 262.85,123.45 258.425,123.45
  pour cut-out: 157.989,80.976 157.989,85.514 138.761,85.514 138.725,85.55 138.725,81
  pour cut-out: 190.475,80.975 190.5,81 190.5,85.5 171.273,85.5 171.225,85.548 171.225,80.925
  pour cut-out: 253.775,81 253.775,85.525 253.75,85.55 253.725,85.525 234.45,85.525 234.45,80.95 234.475,80.925
  pour cut-out: 125.194,81.71 125.2,81.716 125.2,86.35 100.725,86.35 100.775,86.3 100.775,81.7
  pour cut-out: 83.25,81.75 83.275,81.775 83.275,86.325 58.95,86.325 58.925,86.3 58.925,81.675
  pour cut-out: 55.85,104.875 90.278,104.875 90.339,104.814 90.309,104.784 90.309,100.276 55.826,100.276 55.8,100.25
  pour cut-out: 90.309,102.53 90.389,102.45 96.3,102.45 96.3,104.775 96.4,104.875 96.461,104.814 130.979,104.814 130.979,102.546 131.251,102.274 137.101,102.274 137.101,104.801 137.175,104.875 137.2,104.85 171.775,104.85 171.775,102.25 171.85,102.175 177.7,102.175 177.7,104.775 177.675,104.8 177.689,104.814 212.279,104.814 212.279,102.294 212.259,102.274 218.381,102.274 218.381,104.819 218.386,104.814 252.944,104.814 252.944,102.306 253.025,102.225 253.098,102.298 255.74,102.298 255.74,100.39 255.575,100.225 255.524,100.276 90.309,100.276
  pour cut-out: 50.925,90.55 50.925,94.375 51.9,93.4 258.975,93.4 258.975,90.725 259.125,90.575
  pour cut-out: 79.675,110.65 82.225,110.65 82.225,112.125 82.075,112.275 81.9,112.1 79.25,112.1
  pour cut-out: 225.925,145 225.925,143 226.15,142.775 227.2,142.775 227.2,144.875 227.525,145.2
  pour cut-out: 197.1,111 197.1,108 199,108 199.3,108.3 199.3,111
  pour cut-out: 237.8,111.1 237.8,108 240.9,108 240.9,111.3 240.7,111.5
  pour cut-out: 156.5,111 156.5,108.1 157.69,108.1 157.7,108.09 157.7,111.2
  pour cut-out: 117,60.6 117,61.6 116.841,61.441 115.125,61.441 115.125,60.706 115.1,60.681
  pour cut-out: 138.1,63.9 138.134,63.934 138.134,65 141,65 141.1,64.9 141,64.8 141,61.3 138.3,61.3 138.1,61.5 138.1,62.3 140.2,62.3 140.3,62.4 140.3,64
  text ".Layer_Name" at 63,160 h1
  text "ENC28J60" at 240.7,145.6 h1.5 r90
  text "8C8P CutOut" at 258.5,139.175 h1
  text "v 1.1" at 66,54 h2

## Silkscreen, mask and mechanical layers (free items; w line width, h text height)
Top Overlay:
  lines w0.2: 48.7,56 51.3,56 ; 48.7,153 51.3,153 ; 50,54.7 50,57.3 ; 50,151.7 50,154.3 ; 258.7,56 261.3,56 ; 258.7,153 261.3,153 ; 260,54.7 260,57.3 ; 260,151.7 260,154.3 ; 46,52 264,52 264,157 46,157 46,52
  text ".Layer_Name" at 245.975,159.7 h1
  text "RX" at 193.7,150 h1
  text "TX" at 196.8,150 h1
  text "Arduino Nano" at 163,147.8 h1.5
  text "USB" at 158.5,138.1 h1.5
  text "Light Control  v1.1" at 55.75,132.5 h3
  text "80 Output ports on TLC5940 (3.4A)" at 55.5,128.75 h1.5
  text "24 Input ports on HC165 (by GND)" at 55.5,126 h1.5
  text "Input" at 179.6,123.6 h1 r90
  text "DBG.SW" at 164.2,122.8 h1.5
  text "+5" at 180.4,117.7 h1 r45
  text "SCL" at 174.8,117.3 h1 r45
  text "SDA" at 177.3,117.2 h1 r45
  text "GND" at 182.3,117.1 h1 r45
  text "I2C" at 177.2,114.7 h1.5
  text "1" at 53.75,98.5 h1
  text "10" at 76,98.5 h1
  text "20" at 101.5,98.5 h1
  text "30" at 127,98.5 h1
  text "40" at 152.25,98.5 h1
  text "50" at 177.75,98.5 h1
  text "60" at 203,98.5 h1
  text "70" at 228.5,98.5 h1
  text "80" at 253.75,98.5 h1
  text "3" at 124.4,67.5 h1.52
  text "4" at 126.8,67.4 h1.52
  text "1" at 119.2,67.3 h1.52
  text "2" at 121.6,67.3 h1.52
  text "9" at 142.2,67.2 h1.52
  text "10" at 146.1,67.2 h1.52 r90
  text "12" at 151.2,67.2 h1.52 r90
  text "11" at 148.6,67.1 h1.52 r90
  text "GND" at 79.9,66.3 h3
  text "+12v" at 215.2,66.3 h3
  text "8" at 119,55 h1.52
  text "7" at 121.6,55 h1.52
  text "6" at 124,55 h1.52
  text "5" at 126.7,55 h1.52
  text "16" at 143.6,54.4 h1.52 r90
  text "15" at 146.2,54.3 h1.52 r90
  text "14" at 148.5,54.3 h1.52 r90
  text "13" at 151.2,54.2 h1.52 r90
Bottom Overlay:
  lines w0.2: 48.7,56 51.3,56 ; 48.7,153 51.3,153 ; 50,54.7 50,57.3 ; 50,151.7 50,154.3 ; 258.7,56 261.3,56 ; 258.7,153 261.3,153 ; 260,54.7 260,57.3 ; 260,151.7 260,154.3
  text ".Layer_Name" at 63,160 h1
  text "Light Control  v1.1" at 114.2,143.3 h3
Top Solder:
  text ".Layer_Name" at 245.975,159.7 h1
Bottom Solder:
  text ".Layer_Name" at 63,160 h1
Mechanical 2:
  text "105 x 218 mm" at 49,163.25 h1
  text ": Def Plate" at 48.975,161.475 h1
  text ".Pcb_File_Name_No_Path" at 48.925,159.425 h1
Mechanical 3:
  text "105 x 218 mm" at 261,163.25 h1
  text ": Def Plate" at 260.975,161.475 h1
  text ".Pcb_File_Name_No_Path" at 260.925,159.425 h1

## Dimensions
46,52 to 264,52 on Mechanical 3
46,157 to 46,52 on Mechanical 3
46,157 to 46,52 on Mechanical 2
46,52 to 264,52 on Mechanical 2

## Text inside footprints (layer, text, board x,y; h text height)
J10: Top Overlay "16" at 156.5,88.3 h1; Top Overlay "15" at 156.8,77.2 h1; Top Overlay "2" at 139,88.3 h1; Top Overlay "1" at 139.3,77.2 h1
J11: Top Overlay "20" at 81,89.1 h1; Top Overlay "19" at 81.9,78.2 h1; Top Overlay "2" at 59.2,89.1 h1; Top Overlay "1" at 59.5,78.3 h1
J12: Top Overlay "16" at 189,88.3 h1; Top Overlay "15" at 189.1,77.2 h1; Top Overlay "2" at 171.6,88.3 h1; Top Overlay "1" at 171.9,77.1 h1
J13: Top Overlay "20" at 123.6,89 h1; Top Overlay "19" at 123.7,78.4 h1; Top Overlay "2" at 101.2,89 h1; Top Overlay "1" at 101.4,78.3 h1
J14: Top Overlay "16" at 221.2,88.3 h1; Top Overlay "15" at 221.4,77.2 h1; Top Overlay "2" at 203.9,88.3 h1; Top Overlay "1" at 204.2,77.2 h1
J15: Top Overlay "16" at 252.3,88.3 h1; Top Overlay "15" at 252.5,77.1 h1; Top Overlay "2" at 235,88.3 h1; Top Overlay "1" at 235.2,77.2 h1
J27: Top Overlay "32" at 132.25,98.5 h1
J28: Top Overlay "1" at 234.12,102.9 h1.52
M2: Top Overlay "CS" at 210.4,141.635 h1; Top Overlay "VCC" at 209.5,144.215 h1; Top Overlay "GND" at 218.2,144.215 h1; Top Overlay "RST" at 218.2,141.635 h1; Top Overlay "SCK" at 218.2,139.255 h1; Top Overlay "WOL" at 209.5,136.675 h1; Top Overlay "MOSI" at 208.8,139.255 h1; Top Overlay "MISO" at 218.2,136.675 h1; Top Overlay "CLK" at 209.4,134.095 h1; Top Overlay "INT" at 218.2,134.095 h1